# Altium PCB MiniSystem-Pcb-All.PcbDoc (part 2 of 8) (continued)
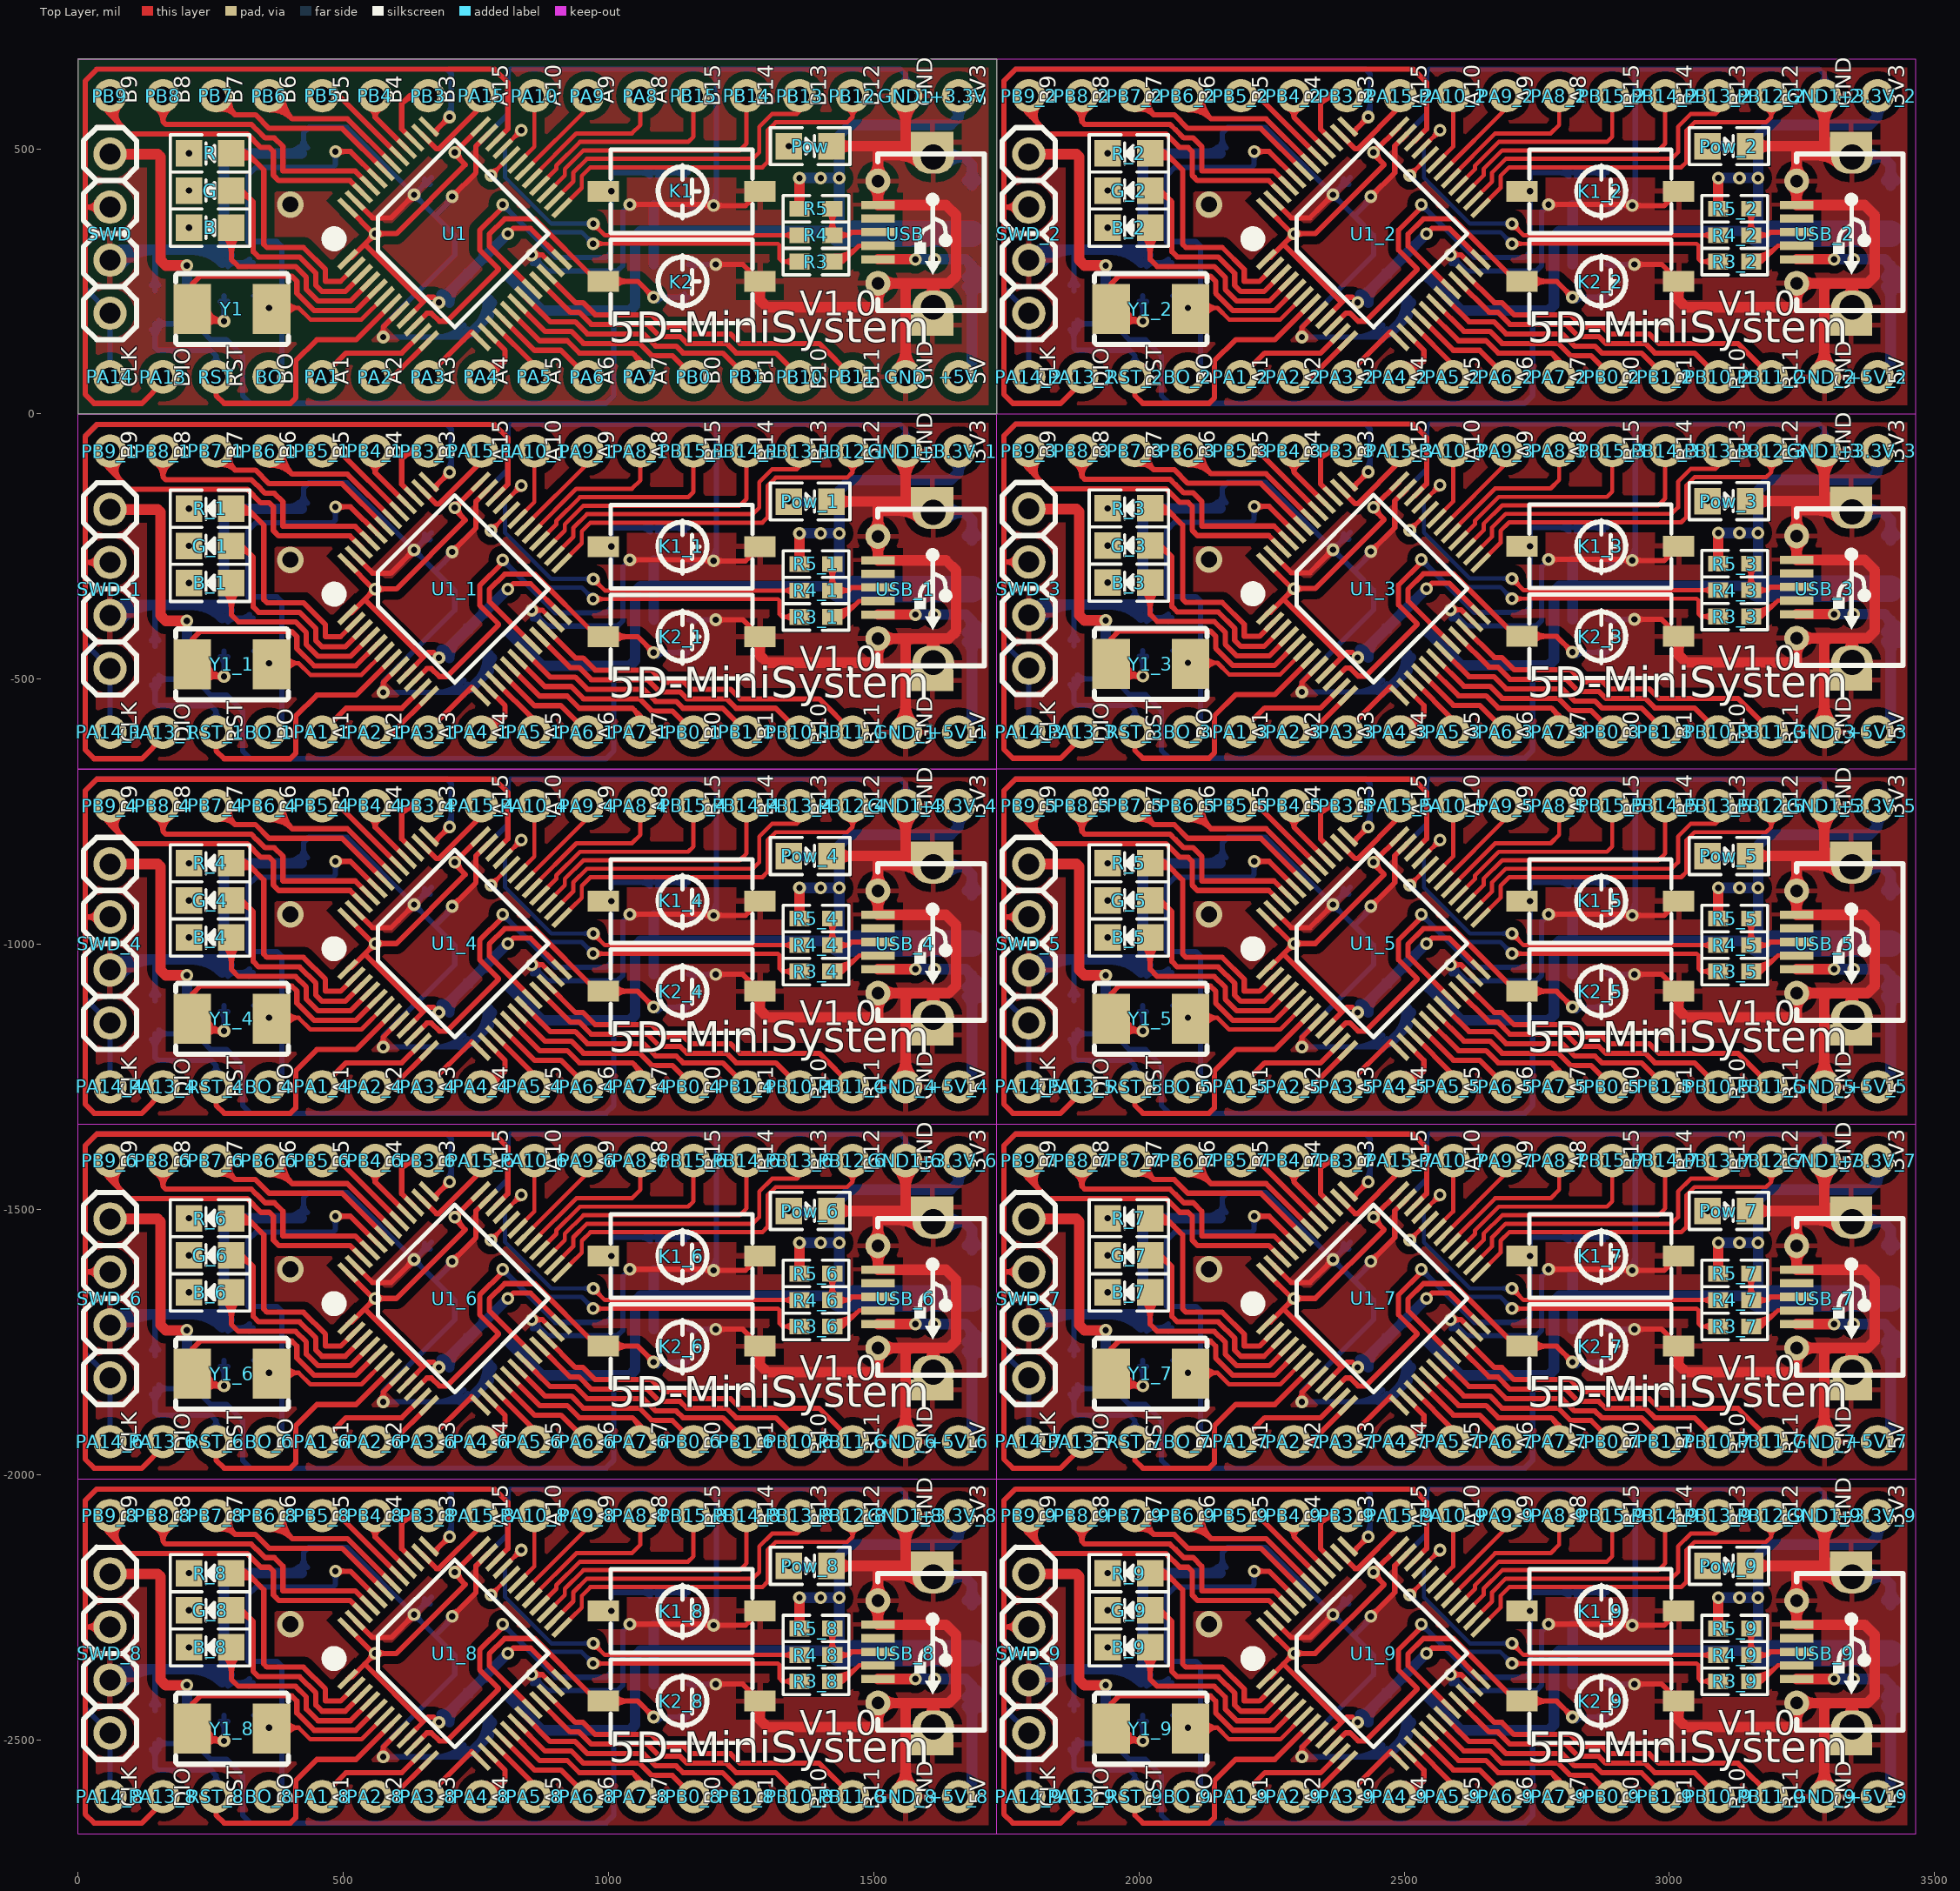
[diagram p0: Top Layer view]
## Nets (pads, with @x,y where several pads share a name; then routed paths per layer and width w, separated by ;. In a path a pad name is that pad's centre, name@x,y a point inside that pad or via, vN(x,y) a via of type N, cw(c..) or ccw(c..) an arc to the next point about the centre after c; other vN are vias at no path point) (continued)
LED-G: G.1 U1.3 | length 476.5
  Top Layer w10: G.1@291.47,411.67 cw(c301.52,375.78) 327.87,402.13 ; 315.77,414.23 ccw(c296.23,394.68) G.1@288.78,421.3 308.7,421.3 330,400 330,306 340,296 417.36,296 448.24,265.13 448.24,242.54 459.77,231.01 503.58,231.01 U1.3@536.01,263.44
LED-R: B.1 U1.4 | length 457.8
  Top Layer w10: B.1@274.64,337.16 cw(c240.5,303.01) 288.78,303.01 cw(c337.06,303.01) B.1@302.92,337.16 ; B.1@288.78,351.3 288.78,291.22 302,278 409.91,278 430.24,257.67 430.24,235.09 452.31,213.01 513.41,213.01 U1.4@549.93,249.52
NetB_2: B.2 R8.2
  other v1: 208.78,351.3
NetG_2: G.2 R7.2
  other v1: 208.78,421.3
NetPow_1: Pow.1 R9.1 | length 35
  Bottom Layer w20: v1(1340,505) R9.1@1375,505
NetR3_2: R3.2 USB.2 | length 237.4
  Top Layer w8: R3.2@1422,287.27 1442.27,287.27 ; R3.2@1425.97,282.27 ccw(c1426.12,309.2) 1445.16,290.16 ; R3.2@1426.02,290.27 ccw(c1426.26,336.17) 1458.71,303.71 ; R3.2@1426.06,298.27 ccw(c1426.4,363.14) 1472.27,317.27 ; R3.2@1436.21,283.17 cw(c1442.27,280.74) 1442.27,287.27 ; R3.2@1436.21,291.37 ccw(c1442.27,293.8) 1442.27,287.27 ; USB.2@1481.47,314.53 ccw(c1474.86,307.92) 1474.86,317.27 ccw(c1474.86,326.62) USB.2@1481.47,320.01 ; USB.2@1507.84,317.27 1472.27,317.27 ; 1442.27,287.27 1472.27,317.27
NetR4_2: R4.2 R5.2 USB.3 | length 252
  Top Layer w10: R4.2@1414.93,344.07 ccw(c1397.86,361.14) 1422,361.14 ccw(c1446.14,361.14) R4.2@1429.07,344.07 ; R5.2@1414.93,379.93 cw(c1397.86,362.86) 1422,362.86 cw(c1446.14,362.86) R5.2@1429.07,379.93 ; R5.2@1422,387 R4.2@1422,337 1452,337 1457.86,342.86 USB.3@1507.84,342.86 ; R4.2@1433.07,329.93 cw(c1450.14,312.86) 1450.14,337 cw(c1450.14,361.14) R4.2@1433.07,344.07
NetR6_2: R6.2 R.2
  other v1: 208.78,491.3
OSC_IN: C9.2 U1.5 Y1.2 | length 769.6
  Top Layer w10: Y1.2@234.36,193.29 ccw(c260.63,203.02) 260.63,175 ; Y1.2@236.72,164.67 cw(c261.66,139.73) 261.66,175 ; Y1.2@243.74,196.76 ccw(c275,208.34) v1(275,175) 238.2,175 Y1.2@215.2,198 215.2,245.2 230,260 402.45,260 412.24,250.21 412.24,227.63 444.86,195.01 523.25,195.01 U1.5@563.85,235.6 ; v1@270.05,170.05 ccw(c258.1,158.1) 258.1,175 ccw(c258.1,191.9) v1@270.05,179.95
  Bottom Layer w10: C9.2@267.93,211.93 cw(c250.86,194.86) 275,194.86 cw(c299.14,194.86) C9.2@282.07,211.93 ; v1@270.05,179.95 ccw(c258.1,191.9) 275,191.9 ccw(c291.9,191.9) v1@279.95,179.95 ; v1(275,175) C9.2@275,223
OSC_OUT: C10.2 U1.6 Y1.1 | length 497.8
  Top Layer w8: v1(360,200) 415.83,200 437.82,178.01 534.09,178.01 U1.6@577.77,221.69 ; Y1.1@365.66,194.34 cw(c379.31,180.69) 379.31,200 cw(c379.31,219.31) Y1.1@365.66,205.66 ; Y1.1@385.09,209.73 ccw(c401.96,219.49) 401.96,200 ; Y1.1@386.29,188.65 cw(c403.62,181.1) 403.62,200 ; Y1.1@392.01,213.74 ccw(c415.82,227.51) 415.82,200 ccw(c415.82,175.78) Y1.1@393.62,185.45
  Bottom Layer w8: C10.2@330,223 357,223 360,220 v1(360,200) ; C10.2@337.78,215.22 cw(c356.56,196.44) 356.56,223 cw(c356.56,249.56) C10.2@337.78,230.78 ; v1@354.34,205.66 ccw(c340.69,219.31) 360,219.31 ccw(c379.31,219.31) v1@365.66,205.66
PA1: PA1.1 U1.11 | length 221.4
  Top Layer w10: PA1.1@460,70 505,115 610.27,115 U1.11@647.36,152.09
PA2: PA2.1 U1.12 | length 129.5
  Top Layer w10: PA2.1@560,70 593.11,70 U1.12@661.28,138.17
PA3: PA3.1 U1.13 | length 155.4
  Top Layer w10: PA3.1@660,70 660,73.11 741.89,155 U1.13@758.72,138.17 ; 733.98,147.09 cw(c745.36,135.72) U1.13@745.36,151.81
PA4: PA4.1 U1.14 | length 211.5
  Top Layer w10: PA4.1@760,70 775,70 805,100 ; PA4.1@766.96,84.96 ccw(c777.4,107.39) 794.89,89.89 ; PA4.1@771.18,94.02 ccw(c783.82,121.18) 805,100 ; U1.14@772.64,152.09 805,119.72 805,100 ; PA4.1@786.5,70 cw(c814.25,70) 794.62,89.62
PA5: PA5.1 U1.15 | length 126.4
  Top Layer w10: U1.15@786.56,166.01 860,92.56 PA5.1@860,70
PA6: PA6.1 U1.16 | length 205.1
  Top Layer w10: U1.16@800.48,179.93 860.4,120 910,120 PA6.1@960,70
PA7: PA7.1 U1.17 | length 391.8
  Top Layer w10: U1.17@814.4,193.85 870.24,138 922,138 945,115 1045,115 1060,100 PA7.1@1060,70 ; 1048.87,111.13 cw(c1026.23,88.5) PA7.1@1054.3,73.12 ; 1058.3,101.7 cw(c1038.42,81.82) PA7.1@1063.07,68.32
PA8: PA8.1 U1.29 | length 301.4
  Top Layer w8: U1.29@856.15,444.4 856.15,445.88 939.28,529 1044,529 1060,545 PA8.1@1060,600
PA9: PA9.1 U1.30 | length 214.5
  Top Layer w8: 859.2,475.28 U1.30@842.23,458.31 960,576.08 PA9.1@960,600
PA10: PA10.1 U1.31 | length 144.8
  Top Layer w8: U1.31@828.31,472.23 860,503.92 PA10.1@860,600 PA10.1@863.92,600
PA11: R3.1 U1.32 | length 879.4
  Top Layer w8: v1(778.24,450) U1.32@814.4,486.15 ; v1@778.24,458 ccw(c778.24,477.31) 791.9,463.66 ccw(c805.56,450) v1@786.24,450 ; v1@970,320 v1(971,321) 1319,321 1322.5,317.5 1322.5,292.5 1327.73,287.27 R3.1@1360,287.27 ; v1@976.66,315.34 cw(c990.31,301.69) 990.31,321 cw(c990.31,340.31) v1@976.66,326.66 ; R3.1@1348.22,279.49 ccw(c1329.44,260.71) 1329.44,287.27 ccw(c1329.44,313.83) R3.1@1348.22,295.05
  Bottom Layer w8: v1@778.24,442 cw(c778.24,422.69) 791.9,436.34 cw(c805.56,450) v1@786.24,450 ; v1(778.24,450) 885.36,342.89 949.11,342.89 v1(971,321) ; v1@963,321 ccw(c943.69,321) 957.34,334.66 ccw(c971,348.31) v1@971,329
PA12: R4.1 U1.33 | length 931.3
  Top Layer w8: U1.33@800.48,500.07 v1(835.4,535) ; v1@827.4,535 cw(c808.09,535) 821.75,521.34 cw(c835.4,507.69) v1@835.4,527 ; v1@971.11,350.89 cw(c971.11,331.57) 984.77,345.23 cw(c998.43,358.89) v1@979.11,358.89 ; v1(971.11,358.89) 993,337 1020,337 ; 1003,337 1020,337 ; R4.1@1348.22,329.22 ccw(c1329.44,310.44) 1329.44,337 ccw(c1329.44,363.56) R4.1@1348.22,344.78 ; R4.1@1360,337 1100,337 1020,337
  Bottom Layer w8: v1@827.4,535 cw(c808.09,535) 821.75,521.34 cw(c835.4,507.69) v1@835.4,527 ; v1(835.4,535) 805,504.6 805,445.87 891.98,358.89 v1(971.11,358.89) ; v1@965.46,353.23 ccw(c951.8,339.57) 951.8,358.89 ccw(c951.8,378.2) v1@965.46,364.54
PA15: PA15.1 U1.38 | length 177.3
  Top Layer w10: U1.38@647.36,527.91 675.28,500 680,500 760,580 PA15.1@760,600
PB0: PB0.1 U1.18 | length 388.7
  Top Layer w10: U1.18@828.31,207.76 880.08,156 929.46,156 952.46,133 1058.51,133 1081.51,110 1120,110 PB0.1@1160,70
PB1: PB1.1 U1.19 | length 480.6
  Top Layer w10: U1.19@842.23,221.68 889.92,174 936.91,174 959.91,151 1065.97,151 1088.97,128 1127.46,128 1140.46,115 1215,115 PB1.1@1260,70
PB3: PB3.1 U1.39 | length 228.8
  Top Layer w10: 612.02,587.02 cw(c639.5,559.53) PB3.1@657.06,594.21 ; 621.77,596.77 cw(c646.06,572.48) PB3.1@661.58,603.13 ; U1.39@633.44,513.99 610,537.44 610,585 625,600 PB3.1@660,600
PB4: PB4.1 U1.40 | length 165.3
  Top Layer w10: PB4.1@549.44,575.7 cw(c542.45,559.6) 560,559.6 ; PB4.1@560,600 560,559.6 ; PB4.1@570.56,575.7 ccw(c577.55,559.6) 560,559.6 ; U1.40@619.52,500.07 560,559.6
PB5: PB5.1 U1.41 | length 192.8
  Top Layer w10: PB5.1@460,600 491.76,600 U1.41@605.6,486.15
PB6: PB6.1 U1.42 | length 438.1
  Top Layer w10: PB6.1@360,600 403.5,556.5 ; PB6.1@360.46,583.51 cw(c361.48,547.32) 387.08,572.92 cw(c412.68,598.52) PB6.1@376.49,599.54 ; PB6.1@360.74,573.51 cw(c362.38,515.39) 403.49,556.51 ; PB6.1@386.49,599.26 ccw(c444.61,597.62) 403.49,556.51 ; U1.42@591.69,472.24 507.42,556.5 403.5,556.5
PB7: PB7.1 U1.43 | length 463
  Top Layer w10: PB7.1@260,594.3 PB7.1@260,600 295.7,564.3 ; PB7.1@264.77,573.94 cw(c271.06,539.66) 295.7,564.3 ; PB7.1@286.06,595.23 ccw(c320.34,588.94) 295.7,564.3 ; 391.5,538.5 405,538.5 ; U1.43@577.77,458.32 497.58,538.5 405,538.5 ; 295.7,564.3 334.19,564.3 359.98,538.5 405,538.5
PB8: PB8.1 U1.45 | length 578.7
  Top Layer w10: PB8.1@145.61,577.75 cw(c128.49,551.3) 160,551.3 ; PB8.1@160,600 160,551.3 ; PB8.1@174.39,577.75 ccw(c191.51,551.3) 160,551.3 ; U1.45@549.93,430.48 522.4,458 386,458 386,504.5 370,520.5 352.53,520.5 336.78,536.25 336.25,536.25 326.21,546.3 165,546.3 160,551.3
PB9: PB9.1 U1.46 | length 763.5
  Top Layer w10: PB9.1@57.49,602.45 ccw(c75.41,584.98) 57.71,567.29 ; PB9.1@60,600 60,565 96.7,528.3 318.75,528.3 344.55,502.5 360.5,502.5 368,495 368,450.54 ; PB9.1@64.65,595.47 ccw(c82.66,577.91) 64.88,560.12 ; PB9.1@71.81,588.48 ccw(c89.91,570.84) 72.04,552.96 ; PB9.1@78.97,581.5 ccw(c97.17,563.77) 79.2,545.8 ; 373.27,445.27 368,450.54 ; U1.46@536.01,416.56 512.56,440 378,440 368,450 368,450.54
PB10: PB10.1 U1.21 | length 564.3
  Top Layer w10: U1.21@870.07,249.52 927.6,192 944.37,192 967.37,169 1073.42,169 1096.42,146 1134.91,146 1147.91,133 1222.46,133 1240.46,115 1315,115 PB10.1@1360,70
PB11: PB11.1 U1.22 | length 656.1
  Top Layer w10: U1.22@883.99,263.44 937.44,210 951.82,210 974.82,187 1080.88,187 1103.88,164 1142.37,164 1155.37,151 1229.91,151 1247.91,133 1397,133 PB11.1@1460,70
PB12: PB12.1 U1.25 | length 783
  Top Layer w8: 939.2,416.08 U1.25@911.83,388.72 949.47,426.36 949.47,448.69 965.79,465 1290,465 1300,475 1300,535 1315,550 1450,550 1460,560 ; PB12.1@1450.15,574.33 cw(c1444.65,560) 1460,560 ; PB12.1@1460,600 1460,560 ; PB12.1@1469.85,574.33 ccw(c1475.35,560) 1460,560
PB13: PB13.1 U1.26 | length 599.3
  Top Layer w8: U1.26@897.91,402.64 933.47,438.2 933.47,455.31 959.16,481 1271.9,481 1284,493.1 1284,541.63 1308.37,566 1330,566 1355,566 1360,571 PB13.1@1360,600
PB14: PB14.1 U1.27 | length 511.7
  Top Layer w8: U1.27@883.99,416.56 917.47,450.04 917.47,461.94 952.53,497 1247,497 1260,510 PB14.1@1260,600
PB15: PB15.1 U1.28 | length 409.2
  Top Layer w8: U1.28@870.07,430.48 901.47,461.88 901.47,468.57 945.9,513 1150,513 1160,523 PB15.1@1160,600
RST: C8.1 R1.1 RST.1 U1.7 | length 911.3
  Top Layer w10: RST.1@260,70 260,35 275,20 400,20 410,30 410,100 450,140 523.92,140 U1.7@591.69,207.77
  Bottom Layer w10: C8.1@137.93,158.93 cw(c120.86,141.86) 145,141.86 cw(c169.14,141.86) C8.1@152.07,158.93 ; C8.1@152.07,162.93 cw(c169.14,145.86) 169.14,170 cw(c169.14,194.14) C8.1@152.07,177.07 ; R1.1@197.93,162.93 ccw(c180.86,145.86) 180.86,170 ccw(c180.86,194.14) R1.1@197.93,177.07 ; R1.1@205,170 C8.1@145,170 145,125 150,120 250,120 260,110 ; RST.1@249.67,94.4 ccw(c243.06,110) 260,110 ; RST.1@260,70 260,110 ; RST.1@270.33,94.4 cw(c276.94,110) 260,110
VDDA: C1.1 C2.1 C3.1 C4.1 C5.1 L1.1 U1.1 U1.9 U1.24 U1.36 U1.48 | length 1288.7
  Top Layer w10: U1.1@508.17,291.28 512.25,295.36 515.36,295.36 540,320 ; U1.48@508.17,388.72 v1@556.89,340 ; v1@553,340 cw(c536.1,340) 548.05,328.05 cw(c560,316.1) v1@560,333 ; v1@564.95,335.05 cw(c576.9,323.1) 576.9,340 cw(c576.9,356.9) v1@564.95,344.95 ; U1.9@619.52,179.93 659.6,220 670,220 ; 649.15,210.85 540,320 ; v1@710,500.11 ccw(c710,517.01) 721.95,505.06 ccw(c733.9,493.11) 717,493.11 ccw(c741.42,493.11) 724.15,475.85 ; U1.36@758.72,541.83 v1(710,493.11) 710,490 730,470 600,340 v1(560,340) 540,320 ; v1(810,340) 820,350 853.11,350 U1.24@911.83,291.28
  Bottom Layer w10: v1(680,210) C2.1@682.5,212.5 ; C1.1@730,260 L1.1@770,300 ; C1.1@730,270 ccw(c730,294.14) 747.07,277.07 ccw(c764.14,260) C1.1@740,260 ; L1.1@760,300 cw(c735.86,300) 752.93,282.93 cw(c770,265.86) L1.1@770,290
  Bottom Layer w20: C2.1@682.5,212.5 C1.1@730,260 L1.1@770,300 v1(810,340) ; C2.1@685,225 ccw(c685,249.14) 702.07,232.07 ; C2.1@700,210 cw(c748.28,210) 714.14,244.14
pads on no net: +3.3V_1.1 +3.3V_2.1 +3.3V_3.1 +3.3V_4.1 +3.3V_5.1 +3.3V_6.1 +3.3V_7.1 +3.3V_8.1 +3.3V_9.1 +5V_1.1 +5V_2.1 +5V_3.1 +5V_4.1 +5V_5.1 +5V_6.1 +5V_7.1 +5V_8.1 +5V_9.1 B_1.1 B_1.2 B_2.1 B_2.2 B_3.1 B_3.2 B_4.1 B_4.2 B_5.1 B_5.2 B_6.1 B_6.2 B_7.1 B_7.2 B_8.1 B_8.2 B_9.1 B_9.2 BO_1.1 BO_2.1 BO_3.1 BO_4.1 BO_5.1 BO_6.1 BO_7.1 BO_8.1 BO_9.1 C1_1.1 C1_1.2 C1_2.1 C1_2.2 C1_3.1 C1_3.2 C1_4.1 C1_4.2 C1_5.1 C1_5.2 C1_6.1 C1_6.2 C1_7.1 C1_7.2 C1_8.1 C1_8.2 C1_9.1 C1_9.2 C2_1.1 C2_1.2 C2_2.1 C2_2.2 C2_3.1 C2_3.2 C2_4.1 C2_4.2 C2_5.1 C2_5.2 C2_6.1 C2_6.2 C2_7.1 C2_7.2 C2_8.1 C2_8.2 C2_9.1 C2_9.2 C3_1.1 C3_1.2 C3_2.1 C3_2.2 C3_3.1 C3_3.2 C3_4.1 C3_4.2 C3_5.1 C3_5.2 C3_6.1 C3_6.2 C3_7.1 C3_7.2 C3_8.1 C3_8.2 C3_9.1 C3_9.2 C4_1.1 C4_1.2 C4_2.1 C4_2.2 C4_3.1 C4_3.2 C4_4.1 C4_4.2 C4_5.1 C4_5.2 C4_6.1 C4_6.2 C4_7.1 C4_7.2 C4_8.1 C4_8.2 C4_9.1 C4_9.2 C5_1.1 C5_1.2 C5_2.1 C5_2.2 C5_3.1 C5_3.2 C5_4.1 C5_4.2 C5_5.1 C5_5.2 C5_6.1 C5_6.2 C5_7.1 C5_7.2 C5_8.1 C5_8.2 C5_9.1 C5_9.2 C6_1.1 C6_1.2 C6_2.1 C6_2.2 C6_3.1 C6_3.2 C6_4.1 C6_4.2 C6_5.1 C6_5.2 C6_6.1 C6_6.2 C6_7.1 C6_7.2 C6_8.1 C6_8.2 C6_9.1 C6_9.2 C7_1.1 C7_1.2 C7_2.1 C7_2.2 C7_3.1 C7_3.2 C7_4.1 C7_4.2 C7_5.1 C7_5.2 C7_6.1 C7_6.2 C7_7.1 C7_7.2 C7_8.1 C7_8.2 C7_9.1 C7_9.2 C8_1.1 C8_1.2 C8_2.1 C8_2.2 C8_3.1 C8_3.2 C8_4.1 C8_4.2 C8_5.1 C8_5.2 C8_6.1 C8_6.2 C8_7.1 C8_7.2 C8_8.1 C8_8.2 C8_9.1 C8_9.2 C9_1.1 C9_1.2 C9_2.1 C9_2.2 C9_3.1 C9_3.2 C9_4.1 C9_4.2 C9_5.1 C9_5.2 C9_6.1 C9_6.2 C9_7.1 C9_7.2 C9_8.1 C9_8.2 C9_9.1 C9_9.2 C10_1.1 C10_1.2 C10_2.1 C10_2.2 C10_3.1 C10_3.2 C10_4.1 C10_4.2 C10_5.1 C10_5.2 C10_6.1 C10_6.2 C10_7.1 C10_7.2 C10_8.1 C10_8.2 C10_9.1 C10_9.2 C13_1.1 C13_1.2 C13_2.1 C13_2.2 C13_3.1 C13_3.2 C13_4.1 C13_4.2 C13_5.1 C13_5.2 C13_6.1 C13_6.2 C13_7.1 C13_7.2 C13_8.1 C13_8.2 C13_9.1 C13_9.2 C14_1.1 C14_1.2 C14_2.1 C14_2.2 C14_3.1 C14_3.2 C14_4.1 C14_4.2 C14_5.1 C14_5.2 C14_6.1 C14_6.2 C14_7.1 C14_7.2 C14_8.1 C14_8.2 C14_9.1 C14_9.2 G_1.1 G_1.2 G_2.1 G_2.2 G_3.1 G_3.2 G_4.1 G_4.2 G_5.1 G_5.2 G_6.1 G_6.2 G_7.1 G_7.2 G_8.1 G_8.2 G_9.1 G_9.2 GND1_1.1 GND1_2.1 GND1_3.1 GND1_4.1 GND1_5.1 GND1_6.1 GND1_7.1 GND1_8.1 GND1_9.1 GND_1.1 GND_2.1 GND_3.1 GND_4.1 GND_5.1 GND_6.1 GND_7.1 GND_8.1 GND_9.1 K1_1.1 K1_1.2 K1_2.1 K1_2.2 K1_3.1 K1_3.2 K1_4.1 K1_4.2 K1_5.1 K1_5.2 K1_6.1 K1_6.2 K1_7.1 K1_7.2 K1_8.1 K1_8.2 K1_9.1 K1_9.2 K2_1.1 K2_1.2 K2_2.1 K2_2.2 K2_3.1 K2_3.2 K2_4.1 K2_4.2 K2_5.1 K2_5.2 K2_6.1 K2_6.2 K2_7.1 K2_7.2 K2_8.1 K2_8.2 K2_9.1 K2_9.2 L1_1.1 L1_1.2 L1_2.1 L1_2.2 L1_3.1 L1_3.2 L1_4.1 L1_4.2 L1_5.1 L1_5.2 L1_6.1 L1_6.2 L1_7.1 L1_7.2 L1_8.1 L1_8.2 L1_9.1 L1_9.2 PA1_1.1 PA1_2.1 PA1_3.1 PA1_4.1 PA1_5.1 PA1_6.1 PA1_7.1 PA1_8.1 PA1_9.1 PA2_1.1 PA2_2.1 PA2_3.1 PA2_4.1 PA2_5.1 PA2_6.1 PA2_7.1 PA2_8.1 PA2_9.1 PA3_1.1 PA3_2.1 PA3_3.1 PA3_4.1 PA3_5.1 PA3_6.1 PA3_7.1 PA3_8.1 PA3_9.1 PA4_1.1 PA4_2.1 PA4_3.1 PA4_4.1 PA4_5.1 PA4_6.1 PA4_7.1 PA4_8.1 PA4_9.1 PA5_1.1 PA5_2.1 PA5_3.1 PA5_4.1 PA5_5.1 PA5_6.1 PA5_7.1 PA5_8.1 PA5_9.1 PA6_1.1 PA6_2.1 PA6_3.1 PA6_4.1 PA6_5.1 PA6_6.1 PA6_7.1 PA6_8.1 PA6_9.1 PA7_1.1 PA7_2.1 PA7_3.1 PA7_4.1 PA7_5.1 PA7_6.1 PA7_7.1 PA7_8.1 PA7_9.1 PA8_1.1 PA8_2.1 PA8_3.1 PA8_4.1 PA8_5.1 PA8_6.1 PA8_7.1 PA8_8.1 PA8_9.1 PA9_1.1 PA9_2.1 PA9_3.1 PA9_4.1 PA9_5.1 PA9_6.1 PA9_7.1 PA9_8.1 PA9_9.1 PA10_1.1 PA10_2.1 PA10_3.1 PA10_4.1 PA10_5.1 PA10_6.1 PA10_7.1 PA10_8.1 PA10_9.1 PA13_1.1 PA13_2.1 PA13_3.1 PA13_4.1 PA13_5.1 PA13_6.1 PA13_7.1 PA13_8.1 PA13_9.1 PA14_1.1 PA14_2.1 PA14_3.1 PA14_4.1 PA14_5.1 PA14_6.1 PA14_7.1 PA14_8.1 PA14_9.1 PA15_1.1 PA15_2.1 PA15_3.1 PA15_4.1 PA15_5.1 PA15_6.1 PA15_7.1 PA15_8.1 PA15_9.1 PB0_1.1 PB0_2.1 PB0_3.1 PB0_4.1 PB0_5.1 PB0_6.1 PB0_7.1 PB0_8.1 PB0_9.1 PB1_1.1 PB1_2.1 PB1_3.1 PB1_4.1 PB1_5.1 PB1_6.1 PB1_7.1 PB1_8.1 PB1_9.1 PB3_1.1 PB3_2.1 PB3_3.1 PB3_4.1 PB3_5.1 PB3_6.1 PB3_7.1 PB3_8.1 PB3_9.1 PB4_1.1 PB4_2.1 PB4_3.1 PB4_4.1 PB4_5.1 PB4_6.1 PB4_7.1 PB4_8.1 PB4_9.1 PB5_1.1 PB5_2.1 PB5_3.1 PB5_4.1 PB5_5.1 PB5_6.1 PB5_7.1 PB5_8.1 PB5_9.1 PB6_1.1 PB6_2.1 PB6_3.1 PB6_4.1 PB6_5.1 PB6_6.1 PB6_7.1 PB6_8.1 PB6_9.1 PB7_1.1 PB7_2.1 PB7_3.1 PB7_4.1 PB7_5.1 PB7_6.1 PB7_7.1 PB7_8.1 PB7_9.1 PB8_1.1 PB8_2.1 PB8_3.1 PB8_4.1 PB8_5.1 PB8_6.1 PB8_7.1 PB8_8.1 PB8_9.1 PB9_1.1 PB9_2.1 PB9_3.1 PB9_4.1 PB9_5.1 PB9_6.1 PB9_7.1 PB9_8.1 PB9_9.1 PB10_1.1 PB10_2.1 PB10_3.1 PB10_4.1 PB10_5.1 PB10_6.1 PB10_7.1 PB10_8.1 PB10_9.1 PB11_1.1 PB11_2.1 PB11_3.1 PB11_4.1 PB11_5.1 PB11_6.1 PB11_7.1 PB11_8.1 PB11_9.1 PB12_1.1 PB12_2.1 PB12_3.1 PB12_4.1 PB12_5.1 PB12_6.1 PB12_7.1 PB12_8.1 PB12_9.1 PB13_1.1 PB13_2.1 PB13_3.1 PB13_4.1 PB13_5.1 PB13_6.1 PB13_7.1 PB13_8.1 PB13_9.1 PB14_1.1 PB14_2.1 PB14_3.1 PB14_4.1 PB14_5.1 PB14_6.1 PB14_7.1 PB14_8.1 PB14_9.1 PB15_1.1 PB15_2.1 PB15_3.1 PB15_4.1 PB15_5.1 PB15_6.1 PB15_7.1 PB15_8.1 PB15_9.1 Pow_1.1 Pow_1.2 Pow_2.1 Pow_2.2 Pow_3.1 Pow_3.2 Pow_4.1 Pow_4.2 Pow_5.1 Pow_5.2 Pow_6.1 Pow_6.2 Pow_7.1 Pow_7.2 Pow_8.1 Pow_8.2 Pow_9.1 Pow_9.2 R1_1.1 R1_1.2 R1_2.1 R1_2.2 R1_3.1 R1_3.2 R1_4.1 R1_4.2 R1_5.1 R1_5.2 R1_6.1 R1_6.2 R1_7.1 R1_7.2 R1_8.1 R1_8.2 R1_9.1 R1_9.2 R2_1.1 R2_1.2 R2_2.1 R2_2.2 R2_3.1 R2_3.2 R2_4.1 R2_4.2 R2_5.1 R2_5.2 R2_6.1 R2_6.2 R2_7.1 R2_7.2 R2_8.1 R2_8.2 R2_9.1 R2_9.2 R3_1.1 R3_1.2 R3_2.1 R3_2.2 R3_3.1 R3_3.2 R3_4.1 R3_4.2 R3_5.1 R3_5.2 R3_6.1 R3_6.2 R3_7.1 R3_7.2 R3_8.1 R3_8.2 R3_9.1 R3_9.2 R4_1.1 R4_1.2 R4_2.1 R4_2.2 R4_3.1 R4_3.2 R4_4.1 R4_4.2 R4_5.1 R4_5.2 R4_6.1 R4_6.2 R4_7.1 R4_7.2 R4_8.1 R4_8.2 R4_9.1 R4_9.2 R5_1.1 R5_1.2 R5_2.1 R5_2.2 R5_3.1 R5_3.2 R5_4.1 R5_4.2 R5_5.1 R5_5.2 R5_6.1 R5_6.2 R5_7.1 R5_7.2 R5_8.1 R5_8.2 R5_9.1 R5_9.2 R6_1.1 R6_1.2 R6_2.1 R6_2.2 R6_3.1 R6_3.2 R6_4.1 R6_4.2 R6_5.1 R6_5.2 R6_6.1 R6_6.2 R6_7.1 R6_7.2 R6_8.1 R6_8.2 R6_9.1 R6_9.2 R7_1.1 R7_1.2 R7_2.1 R7_2.2 R7_3.1 R7_3.2 R7_4.1 R7_4.2 R7_5.1 R7_5.2 R7_6.1 R7_6.2 R7_7.1 R7_7.2 R7_8.1 R7_8.2 R7_9.1 R7_9.2 R8_1.1 R8_1.2 R8_2.1 R8_2.2 R8_3.1 R8_3.2 R8_4.1 R8_4.2 R8_5.1 R8_5.2 R8_6.1 R8_6.2 R8_7.1 R8_7.2 R8_8.1 R8_8.2 R8_9.1 R8_9.2 R9_1.1 R9_1.2 R9_2.1 R9_2.2 R9_3.1 R9_3.2 R9_4.1 R9_4.2 R9_5.1 R9_5.2 R9_6.1 R9_6.2 R9_7.1 R9_7.2 R9_8.1 R9_8.2 R9_9.1 R9_9.2 R10_1.1 R10_1.2 R10_2.1 R10_2.2 R10_3.1 R10_3.2 R10_4.1 R10_4.2 R10_5.1 R10_5.2 R10_6.1 R10_6.2 R10_7.1 R10_7.2 R10_8.1 R10_8.2 R10_9.1 R10_9.2 R11_1.1 R11_1.2 R11_2.1 R11_2.2 R11_3.1 R11_3.2 R11_4.1 R11_4.2 R11_5.1 R11_5.2 R11_6.1 R11_6.2 R11_7.1 R11_7.2 R11_8.1 R11_8.2 R11_9.1 R11_9.2 R_1.1 R_1.2 R_2.1 R_2.2 R_3.1 R_3.2 R_4.1 R_4.2 R_5.1 R_5.2 R_6.1 R_6.2 R_7.1 R_7.2 R_8.1 R_8.2 R_9.1 R_9.2 RST_1.1 RST_2.1 RST_3.1 RST_4.1 RST_5.1 RST_6.1 RST_7.1 RST_8.1 RST_9.1 SWD_1.1 SWD_1.2 SWD_1.3 SWD_1.4 SWD_2.1 SWD_2.2 SWD_2.3 SWD_2.4 SWD_3.1 SWD_3.2 SWD_3.3 SWD_3.4 SWD_4.1 SWD_4.2 SWD_4.3 SWD_4.4 SWD_5.1 SWD_5.2 SWD_5.3 SWD_5.4 SWD_6.1 SWD_6.2 SWD_6.3 SWD_6.4 SWD_7.1 SWD_7.2 SWD_7.3 SWD_7.4 SWD_8.1 SWD_8.2 SWD_8.3 SWD_8.4 SWD_9.1 SWD_9.2 SWD_9.3 SWD_9.4 U1_1.1 U1_1.2 U1_1.3 U1_1.4 U1_1.5 U1_1.6 U1_1.7 U1_1.8 U1_1.9 U1_1.10 U1_1.11 U1_1.12 U1_1.13 U1_1.14 U1_1.15 U1_1.16 U1_1.17 U1_1.18 U1_1.19 U1_1.20 U1_1.21 U1_1.22 U1_1.23 U1_1.24 U1_1.25 U1_1.26 U1_1.27 U1_1.28 U1_1.29 U1_1.30 U1_1.31 U1_1.32 U1_1.33 U1_1.34 U1_1.35 U1_1.36 U1_1.37 U1_1.38 U1_1.39 U1_1.40 U1_1.41 U1_1.42 U1_1.43 U1_1.44 U1_1.45 U1_1.46 U1_1.47 U1_1.48 U1_2.1 U1_2.2 U1_2.3 U1_2.4 U1_2.5 U1_2.6 U1_2.7 U1_2.8 U1_2.9 U1_2.10 U1_2.11 U1_2.12 U1_2.13 U1_2.14 U1_2.15 U1_2.16 U1_2.17 U1_2.18 U1_2.19 U1_2.20 U1_2.21 U1_2.22 U1_2.23 U1_2.24 U1_2.25 U1_2.26 U1_2.27 U1_2.28 U1_2.29 U1_2.30 U1_2.31 U1_2.32 U1_2.33 U1_2.34 U1_2.35 U1_2.36 U1_2.37 U1_2.38 U1_2.39 U1_2.40 U1_2.41 U1_2.42 U1_2.43 U1_2.44 U1_2.45 U1_2.46 U1_2.47 U1_2.48 U1_3.1 U1_3.2 U1_3.3 U1_3.4 U1_3.5 U1_3.6 U1_3.7 U1_3.8 U1_3.9 U1_3.10 U1_3.11 U1_3.12 U1_3.13 U1_3.14 U1_3.15 U1_3.16 U1_3.17 U1_3.18 U1_3.19 U1_3.20 U1_3.21 U1_3.22 U1_3.23 U1_3.24 U1_3.25 U1_3.26 U1_3.27 U1_3.28 U1_3.29 U1_3.30 U1_3.31 U1_3.32 U1_3.33 U1_3.34 U1_3.35 U1_3.36 U1_3.37 U1_3.38 U1_3.39 U1_3.40 U1_3.41 U1_3.42 U1_3.43 U1_3.44 U1_3.45 U1_3.46 U1_3.47 U1_3.48 U1_4.1 U1_4.2 U1_4.3 U1_4.4 U1_4.5 U1_4.6 U1_4.7 U1_4.8 U1_4.9 U1_4.10 U1_4.11 U1_4.12 U1_4.13 U1_4.14 U1_4.15 U1_4.16 U1_4.17 U1_4.18 U1_4.19 U1_4.20 U1_4.21 U1_4.22 U1_4.23 U1_4.24 U1_4.25 U1_4.26 U1_4.27 U1_4.28 U1_4.29 U1_4.30 U1_4.31 U1_4.32 U1_4.33 U1_4.34 U1_4.35 U1_4.36 U1_4.37 U1_4.38 U1_4.39 U1_4.40 U1_4.41 U1_4.42 U1_4.43 U1_4.44 U1_4.45 U1_4.46 U1_4.47 U1_4.48 U1_5.1 U1_5.2 U1_5.3 U1_5.4 U1_5.5 U1_5.6 U1_5.7 U1_5.8 U1_5.9 U1_5.10 U1_5.11 U1_5.12 U1_5.13 U1_5.14 U1_5.15 U1_5.16 U1_5.17 U1_5.18 U1_5.19 U1_5.20 U1_5.21 U1_5.22 U1_5.23 U1_5.24 U1_5.25 U1_5.26 U1_5.27 U1_5.28 U1_5.29 U1_5.30 U1_5.31 U1_5.32 U1_5.33 U1_5.34 U1_5.35 U1_5.36 U1_5.37 U1_5.38 U1_5.39 U1_5.40 U1_5.41 U1_5.42 U1_5.43 U1_5.44 U1_5.45 U1_5.46 U1_5.47 U1_5.48 U1_6.1 U1_6.2 U1_6.3 U1_6.4 U1_6.5 U1_6.6 U1_6.7 U1_6.8 U1_6.9 U1_6.10 U1_6.11 U1_6.12 U1_6.13 U1_6.14 U1_6.15 U1_6.16 U1_6.17 U1_6.18 U1_6.19 U1_6.20 U1_6.21 U1_6.22 U1_6.23 U1_6.24 U1_6.25 U1_6.26 U1_6.27 U1_6.28 U1_6.29 U1_6.30 U1_6.31 U1_6.32 U1_6.33 U1_6.34 U1_6.35 U1_6.36 U1_6.37 U1_6.38 U1_6.39 U1_6.40 U1_6.41 U1_6.42 U1_6.43 U1_6.44 U1_6.45 U1_6.46 U1_6.47 U1_6.48 U1_7.1 U1_7.2 U1_7.3 U1_7.4 U1_7.5 U1_7.6 U1_7.7 U1_7.8 U1_7.9 U1_7.10 U1_7.11 U1_7.12 U1_7.13 U1_7.14 U1_7.15 U1_7.16 U1_7.17 U1_7.18 U1_7.19 U1_7.20 U1_7.21 U1_7.22 U1_7.23 U1_7.24 U1_7.25 U1_7.26 U1_7.27 U1_7.28 U1_7.29 U1_7.30 U1_7.31 U1_7.32 U1_7.33 U1_7.34 U1_7.35 U1_7.36 U1_7.37 U1_7.38 U1_7.39 U1_7.40 U1_7.41 U1_7.42 U1_7.43 U1_7.44 U1_7.45 U1_7.46 U1_7.47 U1_7.48 U1_8.1 U1_8.2 U1_8.3 U1_8.4 U1_8.5 U1_8.6 U1_8.7 U1_8.8 U1_8.9 U1_8.10 U1_8.11 U1_8.12 U1_8.13 U1_8.14 U1_8.15 U1_8.16 U1_8.17 U1_8.18 U1_8.19 U1_8.20 U1_8.21 U1_8.22 U1_8.23 U1_8.24 U1_8.25 U1_8.26 U1_8.27 U1_8.28 U1_8.29 U1_8.30 U1_8.31 U1_8.32 U1_8.33 U1_8.34 U1_8.35 U1_8.36 U1_8.37 U1_8.38 U1_8.39 U1_8.40 U1_8.41 U1_8.42 U1_8.43 U1_8.44 U1_8.45 U1_8.46 U1_8.47 U1_8.48 U1_9.1 U1_9.2 U1_9.3 U1_9.4 U1_9.5 U1_9.6 U1_9.7 U1_9.8 U1_9.9 U1_9.10 U1_9.11 U1_9.12 U1_9.13 U1_9.14 U1_9.15 U1_9.16 U1_9.17 U1_9.18 U1_9.19 U1_9.20 U1_9.21 U1_9.22 U1_9.23 U1_9.24 U1_9.25 U1_9.26 U1_9.27 U1_9.28 U1_9.29 U1_9.30 U1_9.31 U1_9.32 U1_9.33 U1_9.34 U1_9.35 U1_9.36 U1_9.37 U1_9.38 U1_9.39 U1_9.40 U1_9.41 U1_9.42 U1_9.43 U1_9.44 U1_9.45 U1_9.46 U1_9.47 U1_9.48 U2_1.1 U2_1.2 U2_1.3 U2_1.4 U2_2.1 U2_2.2 U2_2.3 U2_2.4 U2_3.1 U2_3.2 U2_3.3 U2_3.4 U2_4.1 U2_4.2 U2_4.3 U2_4.4 U2_5.1 U2_5.2 U2_5.3 U2_5.4 U2_6.1 U2_6.2 U2_6.3 U2_6.4 U2_7.1 U2_7.2 U2_7.3 U2_7.4 U2_8.1 U2_8.2 U2_8.3 U2_8.4 U2_9.1 U2_9.2 U2_9.3 U2_9.4 USB.4 USB_1.1 USB_1.2 USB_1.3 USB_1.4 USB_1.5 USB_1.6 USB_1.7 USB_1.8 USB_1.9 USB_2.1 USB_2.2 USB_2.3 USB_2.4 USB_2.5 USB_2.6 USB_2.7 USB_2.8 USB_2.9 USB_3.1 USB_3.2 USB_3.3 USB_3.4 USB_3.5 USB_3.6 USB_3.7 USB_3.8 USB_3.9 USB_4.1 USB_4.2 USB_4.3 USB_4.4 USB_4.5 USB_4.6 USB_4.7 USB_4.8 USB_4.9 USB_5.1 USB_5.2 USB_5.3 USB_5.4 USB_5.5 USB_5.6 USB_5.7 USB_5.8 USB_5.9 USB_6.1 USB_6.2 USB_6.3 USB_6.4 USB_6.5 USB_6.6 USB_6.7 USB_6.8 USB_6.9 USB_7.1 USB_7.2 USB_7.3 USB_7.4 USB_7.5 USB_7.6 USB_7.7 USB_7.8 USB_7.9 USB_8.1 USB_8.2 USB_8.3 USB_8.4 USB_8.5 USB_8.6 USB_8.7 USB_8.8 USB_8.9 USB_9.1 USB_9.2 USB_9.3 USB_9.4 USB_9.5 USB_9.6 USB_9.7 USB_9.8 USB_9.9 Y1_1.1 Y1_1.2 Y1_2.1 Y1_2.2 Y1_3.1 Y1_3.2 Y1_4.1 Y1_4.2 Y1_5.1 Y1_5.2 Y1_6.1 Y1_6.2 Y1_7.1 Y1_7.2 Y1_8.1 Y1_8.2 Y1_9.1 Y1_9.2